# Altium PCB PCB2.PcbDoc (part 1 of 2) (continued)
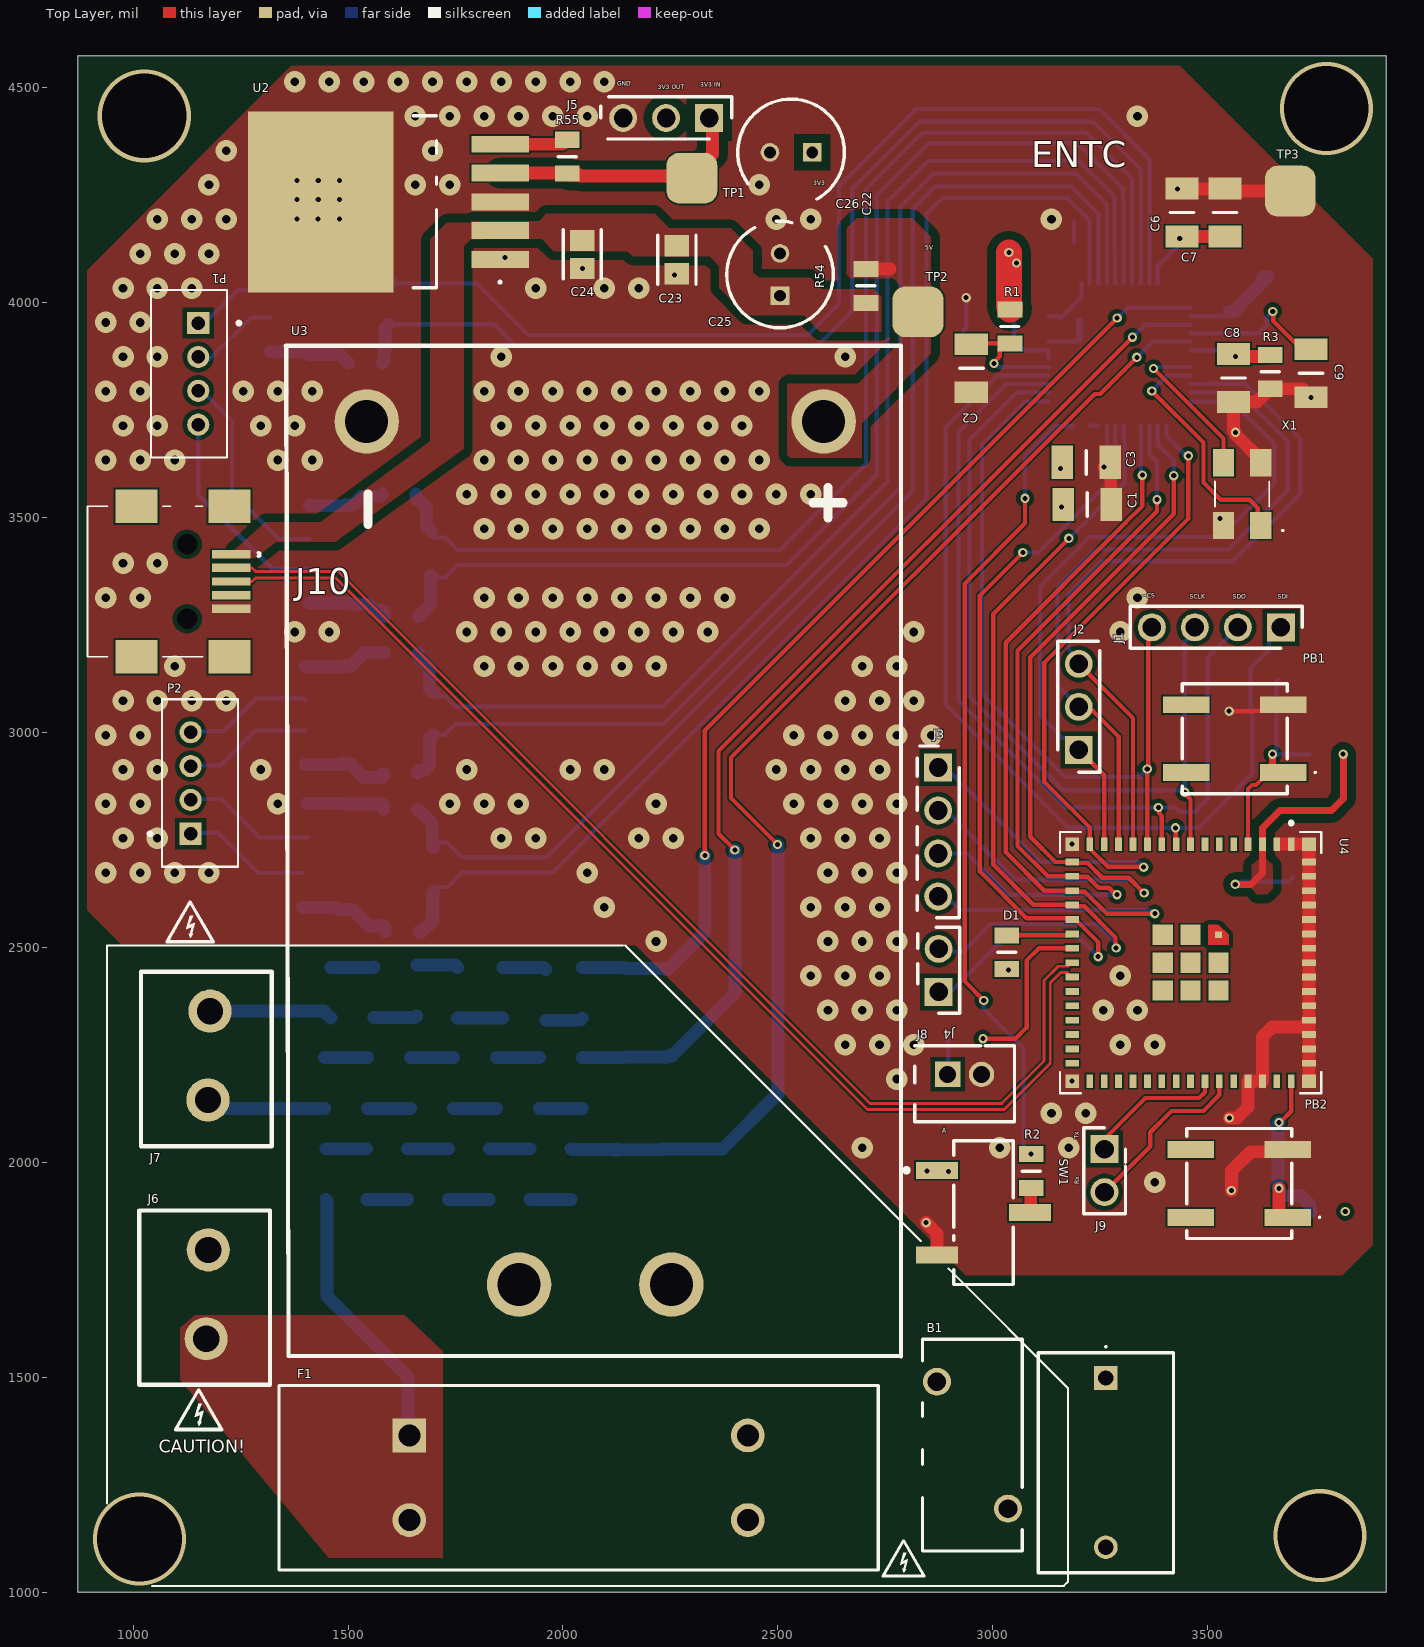
[diagram p0: Top Layer view]
## Design rules (kind name [scope] priority, off if disabled: settings)
Clearance AC_Nets [InNetClass('AC_Nets')] p1: gap=10 ignorepadtopadclearanceinfootprint=TRUE except(0: Arc-Hole Track-Hole SMDPad-Hole THPad-Hole Via-Hole Fill-Hole Poly-Hole Region-Hole Text-Hole; 98.43: THPad-Poly; 157.48: Arc-Poly Track-Poly SMDPad-Poly Via-Poly Fill-Poly Poly-Poly)
Clearance "PWR nets" [InNet('+5V')] p2: gap=10 ignorepadtopadclearanceinfootprint=TRUE except(0: Arc-Hole Track-Hole SMDPad-Hole THPad-Hole Via-Hole Fill-Hole Poly-Hole Region-Hole Text-Hole; 3.5: Arc-Arc Arc-Track Arc-SMDPad Track-Track Track-SMDPad Track-Text SMDPad-Poly THPad-Text Via-Text Fill-Text Poly-Text Region-Text Text-Text; 5.91: SMDPad-Text; 19.68: THPad-THPad; 20: Track-Poly Poly-Poly)
Clearance "PWR nets_1" [InNet('AVDD33')  or       InNet('NetJ5_1')     or       InNet('NetR54_2')] p3: gap=10 ignorepadtopadclearanceinfootprint=TRUE except(0: Arc-Hole Track-Hole SMDPad-Hole THPad-Hole Via-Hole Fill-Hole Poly-Hole Region-Hole Text-Hole; 3.5: Arc-Arc Arc-Track Arc-SMDPad Track-Track Track-SMDPad Track-Text SMDPad-Poly THPad-Text Via-Text Fill-Text Poly-Text Region-Text Text-Text; 5.91: SMDPad-Text; 19.68: THPad-THPad; 20: Track-Poly THPad-Poly Poly-Poly)
Clearance [All] p4: gap=10 ignorepadtopadclearanceinfootprint=TRUE except(0: Arc-Hole Track-Hole SMDPad-Hole THPad-Hole Via-Hole Fill-Hole Poly-Hole Region-Hole Text-Hole; 3.5: Arc-Arc Arc-Track Arc-SMDPad Track-Track Track-SMDPad Track-Poly Track-Text SMDPad-Poly THPad-Text Via-Text Fill-Text Poly-Poly Poly-Text Region-Text Text-Text; 5.91: SMDPad-Text; 19.68: THPad-THPad)
DiffPairsRouting DIFF [InDifferentialPair('USB')] p1: maxlimit=8 minlimit=5 mostfreqgap=5 toplayer_mingap=8 toplayer_prefgap=8 toplayer_minwidth=6.4 toplayer_maxwidth=6.5 toplayer_prefwidth=6.45 midlayer1_maxgap=5 midlayer1_minwidth=3.5 midlayer1_maxwidth=5 midlayer1_prefwidth=4 midlayer2_maxgap=5 midlayer2_minwidth=3.5 midlayer2_maxwidth=5 midlayer2_prefwidth=4 bottomlayer_maxgap=5 bottomlayer_minwidth=5 bottomlayer_maxwidth=6.5 bottomlayer_prefwidth=5.45 impedanceprofiledriven=TRUE impedanceprofileid={5F45FFE8-E709-4377-B685-499ED3685CEB} impedanceprofilevalue=90.000000 maxuncoupledlength=500
HoleSize [All] p1: absolutevalues=TRUE maxlimit=196.85 minlimit=1 maxpercent=80.000 minpercent=20.000
MinimumSolderMaskSliver [All] p1: minsoldermaskwidth=3.94
PolygonConnect PolygonConnect_6 [All] p1: connectstyle=Direct reliefconductorwidth=10 reliefentries=4 polygonreliefangle="90 Angle" airgapwidth=10
PolygonConnect PolygonConnect_5 [All] p2: thpad.connectstyle=Direct thpad.reliefconductorwidth=10 thpad.reliefentries=4 thpad.polygonreliefangle="90 Angle" thpad.airgapwidth=10 smdpad.connectstyle=Direct smdpad.reliefconductorwidth=10 smdpad.reliefentries=4 smdpad.polygonreliefangle="90 Angle" smdpad.airgapwidth=10 via.connectstyle=Relief via.reliefconductorwidth=10 via.reliefentries=4 via.polygonreliefangle="90 Angle" via.airgapwidth=10
PolygonConnect PolygonConnect_4 [All vs IsNamedPolygon('AVDD33_L01_P010')] p3: connectstyle=Direct reliefconductorwidth=10 reliefentries=4 polygonreliefangle="90 Angle" airgapwidth=10
PolygonConnect PolygonConnect_3 [All] p4: connectstyle=Direct reliefconductorwidth=10 reliefentries=4 polygonreliefangle="90 Angle" airgapwidth=10
PolygonConnect PolygonConnect_2 [All vs IsPolygon] p5: connectstyle=Direct reliefconductorwidth=10 reliefentries=4 polygonreliefangle="90 Angle" airgapwidth=10
PolygonConnect PolygonConnect_1 [All vs IsPolygon] p6: thpad.connectstyle=Direct thpad.reliefconductorwidth=10 thpad.reliefentries=4 thpad.polygonreliefangle="90 Angle" thpad.airgapwidth=10 smdpad.connectstyle=Direct smdpad.reliefconductorwidth=10 smdpad.reliefentries=4 smdpad.polygonreliefangle="90 Angle" smdpad.airgapwidth=10 via.connectstyle=Relief via.reliefconductorwidth=10 via.reliefentries=4 via.polygonreliefangle="90 Angle" via.airgapwidth=10
PolygonConnect [All] p7: connectstyle=Relief reliefconductorwidth=10 reliefentries=4 polygonreliefangle="90 Angle" airgapwidth=10
RoutingVias [All] p1: holewidth=28 width=50 viastyle="Through Hole" minholewidth=28 minwidth=50 maxholewidth=28 maxwidth=50
SilkToSilkClearance [All] p1: silktosilkclearance=3.5
SilkToSolderMaskClearance [IsPad] p1: minsilkscreentomaskgap=0.15 clearancetoexposedcopper=FALSE
SolderMaskExpansion [All] p1: expansion=2 istentingtop=FALSE
UnRoutedNet [All] p1: checkbadconnections=TRUE
Width [All] p1: maxlimit=393.7 minlimit=8 preferedwidth=10
24 further rules are at their usual default settings.

## Classes and differential pairs
net class DIFF: USB_N USB_P
net class AC_Nets: NetB1_2 Va Vn
component class VoltageSensorInput: C19 C20 C21 R30 R31 R32 R33 R34 R35 R36 R37 R38 R39 R40 R41 R42 R43 R44 R45 R46 R47 R48 R49 R50 R51 R52 R53
component class VoltageIn: J6 J7
component class PowerSupply: B1 C22 C23 C24 C25 C26 F1 J5 R54 R55 TP1 TP2 TP3 U2 U3
component class MeteringIC: C1 C2 C3 C4 C5 C6 C7 C8 C9 C10 J1 J2 J3 J4 R1 R2 R3 R4 R5 SW1 U1 X1
component class MCU: C27 C28 C29 C30 C31 C32 D1 J8 J9 J10 PB1 PB2 R56 R57 R58 R59 U4
component class CurrentSensorInput: C11 C12 C13 C14 C15 C16 C17 C18 P1 P2 R6 R7 R8 R9 R10 R11 R12 R13 R14 R15 R16 R17 R18 R19 R20 R21 R22 R23 R24 R25 R26 R27 R28 R29
differential pair USB: +USB_P -USB_N

## Components (designator, comment, footprint, x,y, rotation, side; value= is the part's Value field where it differs from the comment)
B1 "MOV-10D561K" MOV10D561K 2952.68,1342.36 r270 top
C1 "C1206C104J1RACAUTO" CAPC3316X180N 3219.49,3530.51 r0 top
C2 "C1206C104J1RACAUTO" CAPC3316X180N 2950,3848 r90 top
C3 "MBAST31LAB7106KTNA01" CAPC3316X180N 3217.52,3628.94 r0 top
C4 "C1206C104J1RACAUTO" CAPC3316X180N 2993,4004 r180 bottom
C5 "MBAST31LAB7106KTNA01" CAPC3316X180N 2996,3914 r180 bottom
C6 "C1206C104J1RACAUTO" CAPC3316X180N 3540,4210 r90 top
C7 "MBAST31LAB7106KTNA01" CAPC3316X180N 3440,4210 r90 top
C8 "C1206C183J5RACTU" CAPC3316X180N 3560,3825 r270 top
C9 "C1206C183J5RACTU" CAPC3316X180N 3740,3835.91 r270 top
C10 "C1206C183J5RACTU" CAPC3316X180N 3550,4035.91 r90 bottom
C11 "C1206C183J5RACTU" CAPC3316X180N 1540.91,4045 r180 bottom
C12 "C1206C183J5RACTU" CAPC3316X180N 1636.81,3469.49 r180 bottom
C13 "C1206C183J5RACTU" CAPC3316X180N 1637.8,3366.14 r0 bottom
C14 "C1206C183J5RACTU" CAPC3316X180N 1539.09,3950 r0 bottom
C15 "C1206C183J5RACTU" CAPC3316X180N 1641.73,2995.08 r180 bottom
C16 "C1206C183J5RACTU" CAPC3316X180N 1644.68,2629.92 r180 bottom
C17 "C1206C183J5RACTU" CAPC3316X180N 1642.72,3093.5 r0 bottom
C18 "C1206C183J5RACTU" CAPC3316X180N 1642.72,2733.27 r0 bottom
C19 "C1206C183J5RACTU" CAPC3316X180N 2123.57,1972.06 r270 bottom
C20 "C1206C183J5RACTU" CAPC3316X180N 2145,2190 r270 bottom
C21 "C1206C183J5RACTU" CAPC3316X180N 2145,2395 r270 bottom
C22 "890334023028" 890334023028 3263,1498.7 r270 top
C23 "GRM21BC71E106KE01L" FP-GRM21B-0_2-e0_2_0_7-IPC_B 2265,4100 r90 top
C24 "GRM21BC71E106KE01L" FP-GRM21B-0_2-e0_2_0_7-IPC_B 2045,4112.51 r90 top
C25 "ESC107M035AE3AA" CAPPRD250W50D630H1250 2505,4016.57 r90 top
C26 "ESC107M035AE3AA" CAPPRD250W50D630H1250 2580,4350 r180 top
C27 "C1206C104J1RACAUTO" CAPC3316X180N 3509.91,2643 r180 bottom
C28 "C1206C104J1RACAUTO" CAPC3316X180N 3595.91,2945 r180 bottom
C29 "MBAST31LAB7106KTNA01" CAPC3316X180N 3609.09,3125 r180 bottom
C30 "C1206C104J1RACAUTO" CAPC3316X180N 3610,1940 r180 bottom
C31 "MBAST31LAB7106KTNA01" CAPC3316X180N 3605,2085 r180 bottom
C32 "MBAST31LAB7106KTNA01" CAPC3316X180N 3698,2607 r270 bottom
D1 "LED 0805" RESC2013X84N 3032.48,2489.17 r270 top
F1 "0031.8231" FP-0031_8231-MFG 2036.3,1266.57 r0 top
J1 "HTSW-104-07-G-S" HDRV4W64P0X254_1X4_1016X248X838P 3670,3245 r0 top
J2 "HTSW-103-07-G-S" HDRV3W64P0X254_1X3_749X249X858P 3200,2960 r90 top
J3 "HTSW-104-07-G-S" HDRV4W64P0X254_1X4_1016X248X838P 2873,2919 r90 top
J4 "HTSW-102-07-G-S" HDRV2W64P0X254_1X2_508X248X838P 2874,2397 r270 top
J5 "HTSW-103-07-G-S" HDRV3W64P0X254_1X3_749X249X858P 2340,4430 r180 top
J6 "connector" "terminal block" 1175.91,1679.57 r270 top
J7 "connector" "terminal block" 1180,2235 r270 top
J8 "B2B-PH-K-S(LF)(SN)" JST-B2B-PH-K-S_V 2934.37,2183.35 r0 top
J9 "HTSW-102-07-G-S" HDRV2W64P0X254_1X2_508X248X838P 3260,2031 r90 top
J10 "1734327-2" 17343272 893.72,3351.61 r0 top
P1 "B4B-PH-K-S(LF)(SN)" JST_B4B-PH-K-S(LF)(SN) 1129.92,3834.65 r90 top
P2 "B4B-PH-K-S(LF)(SN)" JST_B4B-PH-K-S(LF)(SN) 1155.51,2882.87 r270 top
PB1 "EVP-BV2C3L000" EVPBV2C3L000 3562.99,2986.22 r0 top
PB2 "EVP-BV2C3L000" EVPBV2C3L000 3573.19,1951.26 r0 top
R1 "CRCW201010K0JNEFIF" RESC2013X84N 3040,3945 r90 top
R2 "CRCW201010K0JNEFIF" RESC2013X84N 3090,1980 r90 top
R3 "ERA-6AED102V" RESC2013X84N 3645,3839.37 r270 top
R4 "ERA-6AED102V" RESC2013X84N 3690.63,3980 r0 bottom
R5 "ERA-6AED102V" RESC2013X84N 3640,4099.37 r90 bottom
R6 "WSL080500000ZEA9" RESC2013X84N 1410,3490 r270 bottom
R7 "ERA-6AED102V" RESC2013X84N 1618.11,3555.12 r180 bottom
R8 "WSL080500000ZEA9" RESC2013X84N 1320,4069.37 r270 bottom
R9 "ERA-6AED102V" RESC2013X84N 1514.37,4135 r180 bottom
R10 "CPF-A-0603B2K4E1" RESC1608X55N 1489,3497 r270 bottom
R11 "CPF-A-0603B2K4E1" RESC1608X55N 1404,4077 r270 bottom
R12 "CPF-A-0603B2K4E1" RESC1608X55N 1502,3331 r270 bottom
R13 "CPF-A-0603B2K4E1" RESC1608X55N 1410,3919.37 r270 bottom
R14 "WSL080500000ZEA9" RESC2013X84N 1410,3340.63 r90 bottom
R15 "ERA-6AED102V" RESC2013X84N 1624.02,3270.67 r180 bottom
R16 "WSL080500000ZEA9" RESC2013X84N 1320,3925.63 r90 bottom
R17 "ERA-6AED102V" RESC2013X84N 1540.63,3860 r180 bottom
R18 "WSL080500000ZEA9" RESC2013X84N 1395,2634.37 r90 bottom
R19 "ERA-6AED102V" RESC2013X84N 1625.98,2537.4 r0 bottom
R20 "WSL080500000ZEA9" RESC2013X84N 1400,2965 r90 bottom
R21 "ERA-6AED102V" RESC2013X84N 1622.05,2905.51 r180 bottom
R22 "CPF-A-0603B2K4E1" RESC1608X55N 1487,2959 r90 bottom
R23 "CPF-A-0603B2K4E1" RESC1608X55N 1475,2621 r90 bottom
R24 "CPF-A-0603B2K4E1" RESC1608X55N 1486,3122.53 r90 bottom
R25 "CPF-A-0603B2K4E1" RESC1608X55N 1490,2807 r90 bottom
R26 "WSL080500000ZEA9" RESC2013X84N 1400,3114.37 r270 bottom
R27 "ERA-6AED102V" RESC2013X84N 1624.02,3185.04 r180 bottom
R28 "WSL080500000ZEA9" RESC2013X84N 1405,2795.63 r270 bottom
R29 "ERA-6AED102V" RESC2013X84N 1622.05,2821.85 r0 bottom
R30 "ERA-8AEB244V" RESC3216X70N 1448.57,1973 r270 bottom
R31 "ERA-8AEB244V" RESC3216X70N 1543.57,1973 r90 bottom
R32 "ERA-8AEB244V" RESC3216X70N 1638.57,1973 r270 bottom
R33 "ERA-8AEB244V" RESC3216X70N 1733.57,1973 r90 bottom
R34 "ERA-8AEB244V" RESC3216X70N 1828.57,1973 r270 bottom
R35 "ERA-8AEB244V" RESC3216X70N 1923.57,1973 r90 bottom
R36 "ERA-8AEB244V" RESC3216X70N 2018.57,1973 r270 bottom
R37 "ERA-6AED102V" RESC2013X84N 2228.57,1992.06 r270 bottom
R38 "ERA-8AEB244V" RESC3216X70N 1445,2185 r270 bottom
R39 "ERA-8AEB244V" RESC3216X70N 1545,2185 r90 bottom
R40 "ERA-8AEB244V" RESC3216X70N 1645,2185 r270 bottom
R41 "ERA-8AEB244V" RESC3216X70N 1745,2185 r90 bottom
R42 "ERA-8AEB244V" RESC3216X70N 1845,2185 r270 bottom
R43 "ERA-8AEB244V" RESC3216X70N 1945,2185 r90 bottom
R44 "ERA-8AEB244V" RESC3216X70N 2045,2185 r270 bottom
R45 "ERA-6AED102V" RESC2013X84N 2240,2205 r270 bottom
R46 "ERA-8AEB244V" RESC3216X70N 1460,2395 r270 bottom
R47 "ERA-8AEB244V" RESC3216X70N 1560,2395.94 r90 bottom
R48 "ERA-8AEB244V" RESC3216X70N 1660,2400 r270 bottom
R49 "ERA-8AEB244V" RESC3216X70N 1755,2395 r90 bottom
R50 "ERA-8AEB244V" RESC3216X70N 1860,2395 r270 bottom
R51 "ERA-8AEB244V" RESC3216X70N 1960,2390 r90 bottom
R52 "ERA-8AEB244V" RESC3216X70N 2045,2395 r270 bottom
R53 "ERA-6AED102V" RESC2013X84N 2240,2410 r270 bottom
R54 "WSL080500000ZEA9" RESC2013X84N 2705,4039.37 r90 top
R55 "CRCW201010K0JNEFIF" RESC2013X84N 2010,4340 r90 top
R56 "ERA-6AED102V" RESC2013X84N 3775.63,2950 r180 bottom
R57 "ERA-6AED102V" RESC2013X84N 3780,1885 r180 bottom
R58 "ERA-6AED102V" RESC2013X84N 3035,2410 r270 bottom
R59 "ERA-6AED102V" RESC2013X84N 2935.63,2285 r0 bottom
SW1 "JS102011SCQN" FP-JS102011SCQN-MFG 2978.27,1883.43 r270 top
TP1 "Testpoint" Testpad 2300,4290 r0 top
TP2 "Testpoint" Testpad 2826,3979 r0 top
TP3 "Testpoint" Testpad 3692,4260 r0 top
U1 "ATM90E36A-AU-Y" FP-ATM90E36A-AU-Y-MFG 3295,3880 r270 bottom
U2 "TPS75933KTTR" TPS75933KTTR 1530,4235 r90 top
U3 "Hi-link" HI-LINK 2075,2720 r90 top
U4 "ESP32-S3-MINI-1U-N8" XCVR_ESP32-S3-MINI-1U-N8 3460.04,2464.96 r270 top
X1 "ECS-163.84-10-30B-CKM-TR" ECS163841030BCKMTR 3580,3555 r90 top

## Footprints (in the part's own frame and the unit in brackets; to place one, negate y for a bottom-side part, rotate by r counter-clockwise, add the part's x,y. Pads: shape width x height; smd on the part's side, far side on the other; paste and mask are expansions set on the pad)
17343272 [mm]
  rect 2.3x0.5 smd: 1(8.5,1.6) 2(8.5,0.8) 3(8.5,0) 4(8.5,-0.8) 5(8.5,-1.6)
  rect 2.5x2 smd: 6(8.4,4.45) 7(8.4,-4.45) 8(2.9,4.45) 9(2.9,-4.45)
  round 0.6 hole 1.2 unplated: 10(5.9,2.2) 11(5.9,-2.2)
  silkscreen extent 0,-4.45 10.2,4.45, body extent 0.23,-4.95 9.43,4.95, height 4.1
890334023028 [mm]
  rect 1.4x1.4 hole 0.9: 1(0,0)
  round 1.4 hole 0.9: 2(10,0)
  silkscreen extent -1.9,-4 11.5,4, body extent -1.5,-4 11.5,4, height 14.6
CAPC3316X180N [mm]
  rect 1.28x1.96 smd: 1(-1.42,0) 2(1.42,0)
  silkscreen extent 0,-0.7 0,0.7, body extent -1.85,-0.93 1.85,1.02, height 1.77
CAPPRD250W50D630H1250 [mm]
  rect 1.1x1.1 / inner round 1.1 / far side rect 1.1x1.1 hole 0.7: 1(0,0)
  round 1.1 hole 0.7: 2(2.5,0)
  silkscreen extent -1.9,-3.15 4.4,3.15, body extent -2.09,-3.41 4.7,3.41, height 12.62
ECS163841030BCKMTR [mm]
  rect 1.6x1.25 smd: 1(-1.85,-1.1) 2(1.85,-1.1) 3(1.85,1.1) 4(-1.85,1.1)
  silkscreen extent -2.2,-2.45 0.75,1.6, body extent -2.52,-1.6 2.52,1.6, height 0.95
EVPBV2C3L000 [mm]
  rect 2.75x1 smd: A1(2.875,-2) A2(-2.875,-2) B1(2.875,2) B2(-2.875,2)
  silkscreen extent -3.1,-3.25 4.8,3.25, body extent -4.5,-2.97 4.5,3.23, height 4.3
FP-0031_8231-MFG [mm]
  round 2 hole 1.3 paste-2539.97 mask+0: 1(-10,-2.5) 2(10,-2.5) 2(10,2.5)
  rect 2x2 hole 1.3 paste-2539.97 mask+0: 1(-10,2.5)
  silkscreen extent -17.7,-5.45 17.7,5.45, body extent -17.8,-5.55 17.8,5.55, height 0.25
FP-ATM90E36A-AU-Y-MFG [mm]
  rect 1.5x0.3 smd paste+0 mask+0: 1(-4.2,2.75) 2(-4.2,2.25) 3(-4.2,1.75) 4(-4.2,1.25) 5(-4.2,0.75) 6(-4.2,0.25) 7(-4.2,-0.25) 8(-4.2,-0.75) 9(-4.2,-1.25) 10(-4.2,-1.75) 11(-4.2,-2.25) 12(-4.2,-2.75) 25(4.2,-2.75) 26(4.2,-2.25) 27(4.2,-1.75) 28(4.2,-1.25) 29(4.2,-0.75) 30(4.2,-0.25) 31(4.2,0.25) 32(4.2,0.75) 33(4.2,1.25) 34(4.2,1.75) 35(4.2,2.25) 36(4.2,2.75)
  rect 0.3x1.5 smd paste+0 mask+0: 13(-2.75,-4.2) 14(-2.25,-4.2) 15(-1.75,-4.2) 16(-1.25,-4.2) 17(-0.75,-4.2) 18(-0.25,-4.2) 19(0.25,-4.2) 20(0.75,-4.2) 21(1.25,-4.2) 22(1.75,-4.2) 23(2.25,-4.2) 24(2.75,-4.2) 37(2.75,4.2) 38(2.25,4.2) 39(1.75,4.2) 40(1.25,4.2) 41(0.75,4.2) 42(0.25,4.2) 43(-0.25,4.2) 44(-0.75,4.2) 45(-1.25,4.2) 46(-1.75,4.2) 47(-2.25,4.2) 48(-2.75,4.2)
  silkscreen extent -5.62,-3.6 3.6,3.6, body extent -4.5,-4.5 4.5,4.5, height 1.2
FP-GRM21B-0_2-e0_2_0_7-IPC_B [mil]
  rect 49.4x57.33 smd paste+0 mask+0: 1(-32.51,0) 2(32.51,0)
  silkscreen extent -57,-44 57,44, body extent -67,-39 67,39, height 10
FP-JS102011SCQN-MFG [mm]
  rect 1x2.5 smd paste+0 mask+0: 1(-2.5,-2.75) 2(0,2.75) 3(2.5,-2.75)
  silkscreen extent -4.25,-4.67 4.25,1.75, body extent -4.35,-4.1 4.35,4.1, height 0.25
HDRV2W64P0X254_1X2_508X248X838P [mm]
  rect 1.65x1.65 / inner round 1.65 / far side rect 1.65x1.65 hole 1.1: 1(0,0)
  round 1.65 hole 1.1: 2(-2.54,0)
  silkscreen extent -3.81,-1.24 1.27,1.24, body extent -3.81,-1.24 1.27,1.24, height 8.38
HDRV3W64P0X254_1X3_749X249X858P [mm]
  rect 1.65x1.65 / inner round 1.65 / far side rect 1.65x1.65 hole 1.1: 1(0,0)
  round 1.65 hole 1.1: 2(2.54,0) 3(5.08,0)
  silkscreen extent -1.33,-1.24 6.41,1.24, body extent -1.21,-1.24 6.29,1.24, height 8.58
HDRV4W64P0X254_1X4_1016X248X838P [mm]
  rect 1.65x1.65 / inner round 1.65 / far side rect 1.65x1.65 hole 1.1: 1(0,0)
  round 1.65 hole 1.1: 2(-2.54,0) 3(-5.08,0) 4(-7.62,0)
  silkscreen extent -8.89,-1.24 1.27,1.24, body extent -8.89,-1.24 1.27,1.24, height 8.38
HI-LINK [mm]
  round 3.81 hole 2.54 paste-2539.97: 1(-25.5,4.5) 2(-25.5,-4.5) 3(25.5,13.5) 4(25.5,-13.5)
  silkscreen extent -29.76,-18.07 29.97,18.29, body extent -28.6,-16.34 28.4,16.66, height 22.52
JST-B2B-PH-K-S_V [mm] "Connector, 2-Leads, Body 5.9x4.5mm, Pitch 2mm"
  rect 1.5x1.5 hole 1: 1(-1,0.55)
  round 1.5 hole 1: 2(1,0.55)
  silkscreen extent -2.95,-2.25 2.95,2.25, body extent -2.95,-2.25 2.95,2.25, height 6
JST_B4B-PH-K-S(LF)(SN) [mm]
  rect 1.308x1.308 / inner round 1.308 / far side rect 1.308x1.308 hole 0.8: 1(3,-0.55)
  round 1.308 hole 0.8: 2(1,-0.55) 3(-1,-0.55) 4(-3,-0.55)
  silkscreen extent -4.95,-3.05 4.95,2.25, body extent -5,-2.1 4.9,2.4, height 6
MOV10D561K [mm]
  round 1.65 hole 1.1: 1(-3.75,-2.1) 2(3.75,2.1)
  silkscreen extent -6.25,-2.95 6.25,2.95, body extent -6.12,-2.95 6.38,2.95, height 16.25
RESC1608X55N [mm]
  rect 0.9x0.95 smd: 1(-0.75,0) 2(0.75,0)
  body extent -0.77,-0.4 0.77,0.4, height 0.55
RESC2013X84N [mm]
  rect 0.95x1.45 smd: 1(-1,0) 2(1,0)
  silkscreen extent 0,-0.54 0,0.54, body extent -1.01,-0.64 1.01,0.64, height 0.29
RESC3216X70N [mm]
  rect 1.15x1.7 smd: 1(-1.5,0) 2(1.5,0)
  silkscreen extent 0,-0.67 0,0.67, body extent -1.6,-0.8 1.6,0.8, height 0.6
"terminal block" [mm]
  round 2.55 hole 1.55: 1(-2.975,-0.025) 2(2.275,-0.15)
  silkscreen extent -5.3,-4.1 5,3.62, body extent -5.25,-4 4.75,3.5, height 11.5
Testpad [mm]
  rrect50% 3x3 smd: 1(0,0)
TPS75933KTTR [mm]
  rect 1x3.4 smd: 1(-3.4,-8.226) 2(-1.7,-8.226) 3(0,-8.226) 4(1.7,-8.226) 5(3.4,-8.226)
  rect 10.7x8.6 smd: 6(0,2.374)
  silkscreen extent -5.08,-8.28 5.08,-3.08, body extent -5.08,-7.65 5.08,7.62, height 4.44
XCVR_ESP32-S3-MINI-1U-N8 [mm]
  rect 0.8x0.4 smd: 1(-7,5.95) 2(-7,5.1) 3(-7,4.25) 4(-7,3.4) 5(-7,2.55) 6(-7,1.7) 7(-7,0.85) 8(-7,0) 9(-7,-0.85) 10(-7,-1.7) 11(-7,-2.55) 12(-7,-3.4) 13(-7,-4.25) 14(-7,-5.1) 15(-7,-5.95) 31(7,-5.95) 32(7,-5.1) 33(7,-4.25) 34(7,-3.4) 35(7,-2.55) 36(7,-1.7) 37(7,-0.85) 38(7,0) 39(7,0.85) 40(7,1.7) 41(7,2.55) 42(7,3.4) 43(7,4.25) 44(7,5.1) 45(7,5.95)
  rect 0.4x0.8 smd: 16(-5.95,-7) 17(-5.1,-7) 18(-4.25,-7) 19(-3.4,-7) 20(-2.55,-7) 21(-1.7,-7) 22(-0.85,-7) 23(0,-7) 24(0.85,-7) 25(1.7,-7) 26(2.55,-7) 27(3.4,-7) 28(4.25,-7) 29(5.1,-7) 30(5.95,-7) 46(5.95,7) 47(5.1,7) 48(4.25,7) 49(3.4,7) 50(2.55,7) 51(1.7,7) 52(0.85,7) 53(0,7) 54(-0.85,7) 55(-1.7,7) 56(-2.55,7) 57(-3.4,7) 58(-4.25,7) 59(-5.1,7) 60(-5.95,7)
  rect 0.4x0.4 smd paste-1 mask+0: 61_1(-1.65,1.65)
  rect 1.2x1.2 smd: 61_2(0,1.65) 61_3(1.65,1.65) 61_4(-1.65,0) 61_5(0,0) 61_6(1.65,0) 61_7(-1.65,-1.65) 61_8(0,-1.65) 61_9(1.65,-1.65)
  rect 0.8x0.8 smd: 62(-7,7) 63(-7,-7) 64(7,-7) 65(7,7)
  Top Layer region: -1.05,1.05 -2.25,1.05 -2.25,1.65 -1.65,2.25 -1.05,2.25
  silkscreen extent -8.35,-7.72 7.72,7.72, body extent -7.7,-7.7 7.7,7.7, height 2.55

## Part data
B1: "Varistors 180pF 560volts 10%", Manufacturer_Name=Bourns, Mouser Part Number=652-MOV-10D561K, Datasheet Link=https://www.bourns.com/docs/Product-Datasheets/MOV10D.pdf, Geometry.Height=15.5mm, Manufacturer_Part_Number=MOV-10D561K, Mouser Price/Stock=https://www.mouser.co.uk/ProductDetail/Bourns/MOV-10D561K?qs=lgttKnAd%252B2ArrqGQgWwr6w%3D%3D
C1 C2 C4 C6 C27 C28 C30: library part C1206X224KARACAUTO, "Multilayer Ceramic Capacitors MLCC - SMD/SMT 100V 0.1uF X7R 1206 5% AEC-Q200", Capacitance=0.1uF, Manufacturer_Name=KEMET, Mouser Part Number=80-C1206X224KARAUTO, Voltage=100V, Datasheet Link=https://search.kemet.com/component-documentation/download/specsheet/C1206X224KARACAUTO, Geometry.Height=1.8mm, Manufacturer_Part_Number=C1206X224KARACAUTO, Mouser Price/Stock=https://www.mouser.co.uk/ProductDetail/KEMET/C1206X224KARACAUTO?qs=zW32dvEIR3ul9TqTUrs40g%3D%3D, Size=1206
C3 C5 C7 C29 C31 C32: library part C1206X224KARACAUTO, "Multilayer Ceramic Capacitors MLCC - SMD/SMT 25V 10uF X7R 1206 10%", Capacitance=10uF, Manufacturer_Name=KEMET, Mouser Part Number=80-C1206X224KARAUTO, Voltage=25V, Datasheet Link=https://search.kemet.com/component-documentation/download/specsheet/C1206X224KARACAUTO, Geometry.Height=1.8mm, Manufacturer_Part_Number=C1206X224KARACAUTO, Mouser Price/Stock=https://www.mouser.co.uk/ProductDetail/KEMET/C1206X224KARACAUTO?qs=zW32dvEIR3ul9TqTUrs40g%3D%3D, Size=1206
C8 C9 C10 C11 C12 C13 C14 C15 C16 C17 C18 C19 C20 C21: library part C1206X224KARACAUTO, "Multilayer Ceramic Capacitors MLCC - SMD/SMT 50V 0.018uF X7R 1206 5%", Capacitance=18nF, Manufacturer_Name=KEMET, Mouser Part Number=80-C1206X224KARAUTO, Voltage=50V, Datasheet Link=https://search.kemet.com/component-documentation/download/specsheet/C1206X224KARACAUTO, Geometry.Height=1.8mm, Manufacturer_Part_Number=C1206X224KARACAUTO, Mouser Price/Stock=https://www.mouser.co.uk/ProductDetail/KEMET/C1206X224KARACAUTO?qs=zW32dvEIR3ul9TqTUrs40g%3D%3D, Size=1206
C22: "WURTH ELEKTRONIK - 890334023028 - Safety Capacitor, 0.22 F, X2, WCAP-FTXX Series, 310 V, Metallized PP", Manufacturer_Name="Wurth Elektronik", Mouser Part Number=710-890334023028, Geometry.Height=14.5mm, Manufacturer_Part_Number=890334023028, Mouser Price/Stock=https://www.mouser.co.uk/ProductDetail/Wurth-Elektronik/890334023028?qs=pceeu5JH%2FH%2FQtsmowFDNJg%3D%3D
C23 C24: library part CMP-06035-063441-1, "Chip Multilayer Ceramic Capacitors for General Purpose, 10μF ±10%, X7S(EIA), ±22.0%, 25Vdc, 0805 (2012M)", Capacitance=10uF, Voltage=25V, Size=0805
C25 C26: "ESC, Aluminum, Aluminum Electrolytic, 100 uF, 20%, 35 VDC, -40/+105C, 105C, -40C, 105C, 2,000 Hrs, 12 % , 180 mOhms, 35 uA, 3, 4, 6.3mm, 11mm, Lead Spacing = 2.5mm, 20mm, 10000", Capacitance=100uF, Manufacturer_Name=KEMET, Mouser Part Number=80-ESC107M035AE3AA, Voltage=35V, Datasheet Link=https://content.kemet.com/datasheets/KEM_A4006_ESC.pdf, Geometry.Height=12.5mm, Manufacturer_Part_Number=ESC107M035AE3AA, Mouser Price/Stock=https://www.mouser.co.uk/ProductDetail/KEMET/ESC107M035AE3AA?qs=F5EMLAvA7IA7q%2FLtm4zOMg%3D%3D
D1: library part ERA-6AED102V, "Thin Film Resistors - SMD 0805 1000ohms 25ppm 0.5% AEC-Q200", Manufacturer_Name=Panasonic, Mouser Part Number=667-ERA-6AED102V, Datasheet Link=https://industrial.panasonic.com/cdbs/www-data/pdf/RDM0000/AOA0000C307.pdf, Geometry.Height=0.6mm, Manufacturer_Part_Number=ERA-6AED102V, Mouser Price/Stock=https://www.mouser.co.uk/ProductDetail/Panasonic/ERA-6AED102V?qs=MNPzkKEzRtTAvKH%252BuMqwyg%3D%3D
F1: library part CMP-26292-000005-1, "FUSE BLOK CARTRIDGE 600V 16A PCB", Ambient Temperature Range High=+85°C, Ambient Temperature Range Low=-40°C, Fuse Current=16A, Manufacturer=Schurter, Package=0, Voltage Rating Ac=500V, Voltage Rating Dc=600V, Automotive=No, Category=Fuse, ComponentLink2Description=Datasheet, ComponentLink2URL=https://www.schurter.com/en/datasheet/typ_OGD.pdf, Conn Orientation=Horizontal, Device Class L1="Circuit Protection", Device Class L2="Fuse Holders", Device Class L3=unset, Digikey Description="FUSE BLOK CARTRIDGE 600V 16A PCB", Height=12.7mm, Lead Free=Yes, Manufacturer Part Number=0031.8231, Mouser Description="Fuse Holder OGD FUSEHOLDER 5X20/6.3X32", Number Of Fuses=1, Octopart=https://octopart.com/0031.8231-schurter-8659, RoHS=TRUE, Standoff Height=0.7mm
J1 J3: "SAMTEC - HTSW-104-07-G-S - , , 2.54 mm, 4 , , HTSW Series, , 1", Manufacturer_Name=SAMTEC, Mouser Part Number=200-HTSW10407GS, Datasheet Link=https://componentsearchengine.com/Datasheets/2/HTSW-104-07-G-S.pdf, Geometry.Height=8.38mm, Manufacturer_Part_Number=HTSW-104-07-G-S, Mouser Price/Stock=https://www.mouser.co.uk/ProductDetail/Samtec/HTSW-104-07-G-S?qs=0lQeLiL1qyYqiS2uxGtRCQ%3D%3D
J2 J5: "Samtec HTSW, 2.54mm Pitch, 3 Way, 1 Row, Vertical Pin Header, Through Hole", Manufacturer_Name=SAMTEC, Mouser Part Number=200-HTSW10307GS, Datasheet Link=http://suddendocs.samtec.com/prints/htsw-xxx-xx-xxx-x-xx-xx-xx-mkt.pdf, Geometry.Height=8.58mm, Manufacturer_Part_Number=HTSW-103-07-G-S, Mouser Price/Stock=https://www.mouser.co.uk/ProductDetail/Samtec/HTSW-103-07-G-S?qs=0lQeLiL1qyYZ%252B%2F6nDbu9tg%3D%3D
J4 J9: "Samtec, HTSW, 2 Way, 1 Row, Vertical Pin Header", Manufacturer_Name=SAMTEC, Mouser Part Number=200-HTSW10207GS, Datasheet Link=http://suddendocs.samtec.com/prints/htsw-xxx-xx-xxx-x-xx-xx-xx-mkt.pdf, Geometry.Height=8.38mm, Manufacturer_Part_Number=HTSW-102-07-G-S, Mouser Price/Stock=https://www.mouser.co.uk/ProductDetail/Samtec/HTSW-102-07-G-S?qs=FESYatJ8odI1BCBanfu%2FIg%3D%3D
J8: library part CMP-2000-05162-1, "Male Header, Pitch 2 mm, 1 x 2 Position, Height 6 mm, Tail Length 3.4 mm, -25 to 85 degC, RoHS, Bulk", Manufacturer=JST, Datasheet URL=http://datasheet.octopart.com/B2B-PH-K-S%28LF%29%28SN%29-JST-datasheet-8324864.pdf, Datasheet Version=Nov-08, Manufacturer URL=http://www.jst.com/home2.html, No of Positions=2, Pitch=2mm, Style/Orientation=StraightHeader/Plug, Termination=Crimp, Type=ShroudedHeader
J10: "Body Features: Offset 0 MM", Manufacturer_Name="TE Connectivity", Mouser Part Number=571-1734327-2, Datasheet Link=https://www.te.com/commerce/DocumentDelivery/DDEController?Action=srchrtrv&DocNm=1734327&DocType=Customer+Drawing&DocLang=English&DocFormat=pdf&PartCntxt=1734327-2, Geometry.Height=4.14mm, Manufacturer_Part_Number=1734327-2, Mouser Price/Stock=https://www.mouser.co.uk/ProductDetail/TE-Connectivity/1734327-2?qs=MP5IOa7hLjVR6N4sgEE7xA%3D%3D
P1 P2: library part CMP-002-00071-1, "Connector Header Through Hole 4 position 0.079 (2.00mm)", Case/Package=None, Check_prices=https://www.snapeda.com/parts/B4B-PH-K-S(LF)(SN)/JST/view-part/?ref=eda, Component Type=Standard, Design Item ID=B4B-PH-K-S(LF)(SN), MF=JST, MP=B4B-PH-K-S(LF)(SN), Pins=4, SnapEDA_Link=https://www.snapeda.com/parts/B4B-PH-K-S(LF)(SN)/JST/view-part/?ref=snap, Source=B4B-PH-K-S(LF)(SN).SchLib
PB1 PB2: "Tactile Switches 6.5mm 6.2mm SMD Op Force 1.6N", Manufacturer_Name=Panasonic, Mouser Part Number=667-EVP-BV2C3L000, Datasheet Link=https://media.digikey.com/pdf/Data%20Sheets/Panasonic%20Electronic%20Components/EVP-BV_Type_DS.pdf, Geometry.Height=4.5mm, Manufacturer_Part_Number=EVP-BV2C3L000, Mouser Price/Stock=https://www.mouser.co.uk/ProductDetail/Panasonic/EVP-BV2C3L000?qs=MyNHzdoqoQLjk3IN4ali%252Bg%3D%3D
R1 R2 R55: library part WSL080500000ZEA9, "VISHAY - CRCW201010K0JNEFIF - SMD Chip Resistor, Jumper, 0805 [2012 Metric], 10k, WSL-9 Series, Metal Strip", Manufacturer_Name=Vishay, Mouser Part Number=71-WSL080500000ZEA9, Resistance=10K, Datasheet Link=https://ad.componentsearchengine.com/Datasheets/2/WSL080500000ZEA9.pdf, Geometry.Height=0.838mm, Manufacturer_Part_Number=WSL080500000ZEA9, Mouser Price/Stock=https://www.mouser.co.uk/ProductDetail/Vishay-Dale/WSL080500000ZEA9?qs=f1l5vAGoKgsImKS87N8TmQ%3D%3D, Size=0805
R3 R4 R5 R7 R9 R15 R17 R19 R21 R27 R29 R37 R45 R53 R56 R57: "Thin Film Resistors - SMD 0805 1000ohms 25ppm 0.5% AEC-Q200", Manufacturer_Name=Panasonic, Mouser Part Number=667-ERA-6AED102V, Datasheet Link=https://industrial.panasonic.com/cdbs/www-data/pdf/RDM0000/AOA0000C307.pdf, Geometry.Height=0.6mm, Manufacturer_Part_Number=ERA-6AED102V, Mouser Price/Stock=https://www.mouser.co.uk/ProductDetail/Panasonic/ERA-6AED102V?qs=MNPzkKEzRtTAvKH%252BuMqwyg%3D%3D
R6 R8 R14 R16 R18 R20 R26 R28 R54: "VISHAY - WSL080500000ZEA9 - SMD Chip Resistor, Jumper, 0805 [2012 Metric], 0 ohm, WSL-9 Series, Metal Strip", Manufacturer_Name=Vishay, Mouser Part Number=71-WSL080500000ZEA9, Resistance=0R, Datasheet Link=https://ad.componentsearchengine.com/Datasheets/2/WSL080500000ZEA9.pdf, Geometry.Height=0.838mm, Manufacturer_Part_Number=WSL080500000ZEA9, Mouser Price/Stock=https://www.mouser.co.uk/ProductDetail/Vishay-Dale/WSL080500000ZEA9?qs=f1l5vAGoKgsImKS87N8TmQ%3D%3D, Size=0805
R10 R11 R12 R13 R22 R23 R24 R25: library part WSL080500000ZEA9, "Thick Film Resistors - SMD 2.4OHM 1% 1/2W 100PPM", Manufacturer_Name=Vishay, Mouser Part Number=71-WSL080500000ZEA9, Resistance=2.4, Datasheet Link=https://ad.componentsearchengine.com/Datasheets/2/WSL080500000ZEA9.pdf, Geometry.Height=0.838mm, Manufacturer_Part_Number=WSL080500000ZEA9, Mouser Price/Stock=https://www.mouser.co.uk/ProductDetail/Vishay-Dale/WSL080500000ZEA9?qs=f1l5vAGoKgsImKS87N8TmQ%3D%3D, Size=0603
R30 R31 R32 R33 R34 R35 R36 R38 R39 R40 R41 R42 R43 R44 R46 R47 R48 R49 R50 R51 R52: "Thin Film Resistors - SMD 1206 240Kohm 0.1% 25ppm", Manufacturer_Name=Panasonic, Mouser Part Number=667-ERA-8AEB244V, Resistance=240K, Datasheet Link=https://componentsearchengine.com/Datasheets/1/ERA-8AEB244V.pdf, Geometry.Height=0.7mm, Manufacturer_Part_Number=ERA-8AEB244V, Mouser Price/Stock=https://www.mouser.com/Search/Refine.aspx?Keyword=667-ERA-8AEB244V, Size=1206
R58: "Thin Film Resistors - SMD 0805 330ohms 25ppm 0.5% AEC-Q200", Manufacturer_Name=Panasonic, Mouser Part Number=667-ERA-6AED102V, Datasheet Link=https://industrial.panasonic.com/cdbs/www-data/pdf/RDM0000/AOA0000C307.pdf, Geometry.Height=0.6mm, Manufacturer_Part_Number=ERA-6AED102V, Mouser Price/Stock=https://www.mouser.co.uk/ProductDetail/Panasonic/ERA-6AED102V?qs=MNPzkKEzRtTAvKH%252BuMqwyg%3D%3D
R59: "0805 330R", Manufacturer_Name=Panasonic, Mouser Part Number=667-ERA-6AED102V, Datasheet Link=https://industrial.panasonic.com/cdbs/www-data/pdf/RDM0000/AOA0000C307.pdf, Geometry.Height=0.6mm, Manufacturer_Part_Number=ERA-6AED102V, Mouser Price/Stock=https://www.mouser.co.uk/ProductDetail/Panasonic/ERA-6AED102V?qs=MNPzkKEzRtTAvKH%252BuMqwyg%3D%3D
SW1: library part CMP-10038-000023-1, "SWITCH SLIDE SPDT 300MA 6V", Actuator Color=Black, Case/Package=SMD/SMT, Contact Resistance=70mR, Current Rating=300mA, Max Operating Temperature=85°C, Max Voltage Rating (DC)=30V, Min Operating Temperature=-40°C, Package Quantity=4000, Voltage Rating (DC)=6V, Actuator Length=2mm, Actuator Material=Nylon, Actuator Type=Standard, Contact Material="Copper Alloy", Contact Plating=Silver, Depth=7.5mm, Electrical Life=5000Cycles, Housing Material=Nylon, Length=8.5mm, Max Current Rating=300mA, Mount="Surface Mount", Orientation=Straight, Packaging="Tape and Reel", Radiation Hardening=No, RoHS Compliant=Yes, Series=JS, Switch Function=On-On, Switch Travel=2mm, Termination="Gull Wing", Throw Configuration=SPDT
U1: library part CMP-06317-000017-1, "48-TQFP, IND TEMP, 1.8V/3V, TRAY", RoHS Compliant=Yes
U2: "Fast-Transient Response, 7.5-A, Low-Dropout Voltage Regulators with Power Good", Manufacturer_Name="Texas Instruments", Mouser Part Number=595-TPS75933KTTR, Datasheet Link=http://www.ti.com/lit/gpn/tps759, Geometry.Height=4.83mm, Manufacturer_Part_Number=TPS75933KTTR, Mouser Price/Stock=https://www.mouser.co.uk/ProductDetail/Texas-Instruments/TPS75933KTTR?qs=6zVL%252ByCp0mrrB34Pfenz6g%3D%3D
U3: "Hi-Link HLK-20M05 220VAC to 5VDC 20W Step-Down Power Supply Module"
U4: "Bluetooth, WiFi 802.11b/g/n, Bluetooth v5.0 Transceiver Module 2.4GHz Antenna Not Included, U.FL Surface Mount", Package="VFQFN-56 Espressif Systems", Check_prices=https://www.snapeda.com/parts/ESP32-S3-MINI-1U-N8/Espressif+Systems/view-part/?ref=eda, MF="Espressif Systems", MP=ESP32-S3-MINI-1U-N8, SnapEDA_Link=https://www.snapeda.com/parts/ESP32-S3-MINI-1U-N8/Espressif+Systems/view-part/?ref=snap
X1: "Crystals 16.384MHz 10ppm 10pF -20C +70C", Manufacturer_Name=ECS, Mouser Part Number=520-163.84-1030BCKMT, Datasheet Link=https://componentsearchengine.com/Datasheets/1/ECS-163.84-10-30B-CKM-TR.pdf, Geometry.Height=0.85mm, Manufacturer_Part_Number=ECS-163.84-10-30B-CKM-TR, Mouser Price/Stock=https://www.mouser.com/Search/Refine.aspx?Keyword=520-163.84-1030BCKMT

## Via types
v1: diameter 50, hole 20, Top Layer to Bottom Layer, 219 vias
v2: diameter 21.65, hole 11.81, Top Layer to Bottom Layer, 68 vias
v3: diameter 216.54, hole 196.85, Top Layer to Bottom Layer, 4 vias
v4: diameter 21.65, hole 11.81, Top Layer to Bottom Layer, tented top, 1 vias

## Nets (pads, with @x,y where several pads share a name; then routed paths per layer and width w, separated by ;. In a path a pad name is that pad's centre, name@x,y a point inside that pad or via, vN(x,y) a via of type N, cw(c..) or ccw(c..) an arc to the next point about the centre after c; other vN are vias at no path point)
+5V: C23.2 C24.2 C25.1 J10.1 R54.1 U2.2
AVDD33: C1.1 C3.1 C26.1 C27.1 C32.1 J5.2 R1.2 R56.1 R57.1 SW1.1 U1.1 U1.33 U1.34 U1.48 U4.3 | length 798.5
  Top Layer w15.75: v2(3564,2647) 3601,2647 3627.36,2673.36 U4.3@3627.36,2740.55 3627.36,2778.36 3668,2819 3788,2819 3816,2847 3816,2949 v2(3815,2950)
  Top Layer w60: v2(3037.4,4117.13) 3037.4,3992.54 3040,3989.94 R1.2@3040,3984.37
  Bottom Layer w10: U1.34@3226.1,3714.65 U1.33@3245.79,3714.65 ; v2(3564,2647) 3564,2644.81 C27.1@3565.81,2643 3575.81,2653 3688.09,2653 C32.1@3698,2662.91
  other v2: 3819.88,1885.83 2896.65,1979.33 2846.46,1980.32 3160,3525 3158,3615 3055.12,4092.52
BOOT: C28.1 C29.1 PB1.A1 R56.2 U4.4 | length 553.6
  Top Layer w10: U4.4@3593.9,2740.55 3593.9,2868.9 3603.28,2878.28 3612.53,2878.28 3641.73,2907.48 PB1.A1@3676.18,2907.48 ; PB1.A1@3650.91,2922.17 3665.59,2907.48 PB1.A1@3676.38,2907.48
  Top Layer w15.75: PB1.A1@3650.91,2922.17 v2(3650.91,2950)
  Bottom Layer w10: v2(3650.91,2950) 3660,2959.09 3660,3120 C29.1@3665,3125 ; C28.1@3651.81,2945 3655,2945 C28.1@3660,2950 ; C28.1@3660,2950.63 3660.63,2950 R56.2@3736.26,2950
C\S\: J1.4 U1.37 U4.11 | length 1759.1
  Top Layer w10: U4.11@3359.65,2740.55 3359.45,2740.75 3359.45,2915.16 v2(3359.25,2915.35) 3361.48,2917.58 3361.48,3232.49 3359.48,3234.48 J1.4@3370,3245
  Bottom Layer w10: U1.37@3129.65,3770.51 3075.51,3770.51 2975,3670 2975,3090 3168.35,2896.65 3340.55,2896.65 v2(3359.25,2915.35)
CF1: J3.1 U1.25 U4.15 | length 1908.4
  Top Layer w10: v2(3351,2687) 3350.16,2687.84 3268.16,2687.84 3228.66,2727.34 3228.66,2737.68 U4.15@3225.79,2740.55 3225.79,2779.21 3120,2885 3120,3163 3455,3498 v2(3455,3644)
  Bottom Layer w10: J3.1@2873,2919 2875,2917 2891.19,2917 2934.31,2873.88 2936.12,2873.88 3111,2699 3339,2699 v2(3351,2687) ; U1.25@3403.27,3714.65 3404.17,3713.74 3404.17,3690.12 3448.81,3645.48 3453.52,3645.48 v2(3455,3644)
CF2: J3.2 U1.26 U4.16 | length 1988.3
  Top Layer w10: v2(3352,2627) 3316.5,2662.5 3254.7,2662.5 3220.58,2696.62 3187.04,2696.62 U4.16@3184.45,2699.21 3145.79,2699.21 3087,2758 3087,3175 3421,3509 v2(3421,3598)
  Bottom Layer w10: J3.2@2873,2819 2883.52,2808.48 2901.52,2808.48 3052.13,2657.87 3321.13,2657.87 v2(3352,2627) ; U1.26@3383.58,3714.65 3383.58,3669.72 3421,3632.3 v2(3421,3598)
CF3: J3.3 U1.27 U4.17 | length 1854.4
  Top Layer w10: v2(3289,2623) 3285.85,2623 3269.85,2639 3246.23,2639 3220.51,2664.72 3185.48,2664.72 U4.17@3184.45,2665.75 3128.25,2665.75 3057.48,2736.52 3057.48,3190.48 3382,3515 v2(3382,3542)
  Bottom Layer w10: J3.3@2873,2719 2940.26,2719 3036.26,2623 v2(3289,2623) ; U1.27@3363.9,3714.65 3363.9,3648.31 3382,3630.2 v2(3382,3542)
CF4: J3.4 U1.28 U4.18 | length 2052.7
  Top Layer w10: v2(3348,3599) 3348,3527.53 3309.09,3488.62 3309.09,3488.41 3030,3209.32 3030,2722 3119.72,2632.28 U4.18@3184.45,2632.28 3187.1,2629.63 3214.37,2629.63 3265,2579 v2(3377,2579)
  Bottom Layer w10: J3.4@2873,2619 2875,2617 2893.1,2617 2922.68,2587.42 3367.28,2587.42 3375.7,2579 v2(3377,2579) ; U1.28@3344.21,3714.65 3344.21,3604.88 3348,3601.09 v2(3348,3599)
EN: C30.1 C31.1 PB2.A1 R57.2 U4.45 | length 461.4
  Top Layer w10: v2(3665.83,2092.87) 3667.87,2092.87 3694.29,2119.29 U4.45@3694.29,2189.37
  Top Layer w30: v2(3665.91,1940) 3665.91,1877.2 3670.59,1872.52 PB2.A1@3686.38,1872.52
  Bottom Layer w30: v2(3665.83,2092.87) 3660.91,2087.95 C31.1@3660.91,2085 3663.41,2082.5 3663.41,1942.5 v2(3665.91,1940) 3665.91,1934.79 3676.1,1924.59 3676.1,1923.34 3716.66,1923.34 3736.93,1903.07 3736.93,1888.7 R57.2@3740.63,1885